# Altium PCB PCB1.PcbDoc (part 2 of 3)
Units mm, origin at the board's own origin, x right, y up, seen from the top; angles counter-clockwise.
Board outline 92.46 x 92.46 mm, 2 copper layers (Top Layer, Bottom Layer); 132 components, 140 nets, 526 pads, 112 vias.
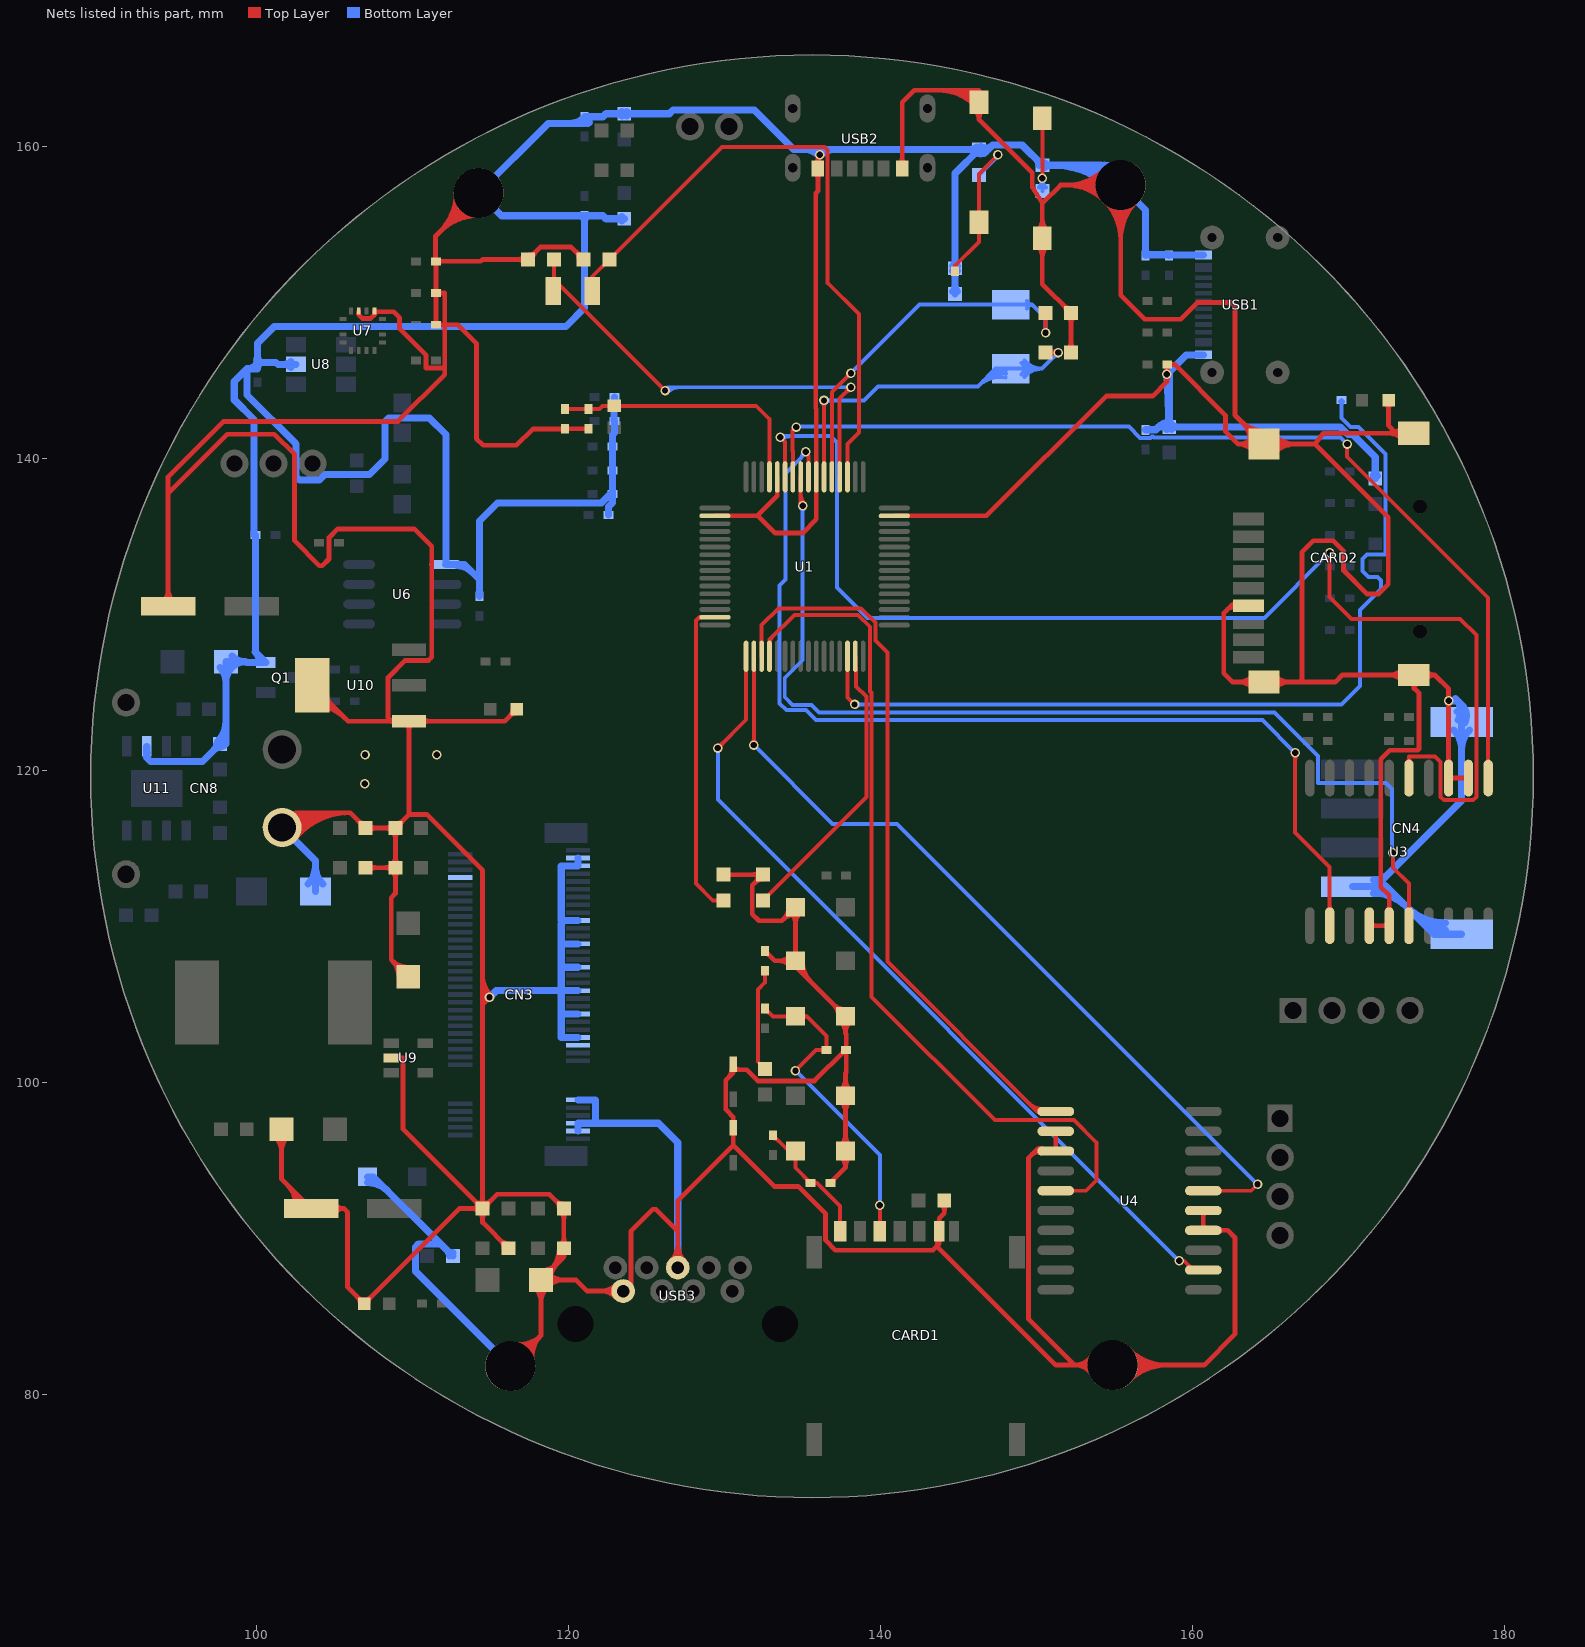
[diagram p2: the nets of this part, all layers, seen from the top]

## Via types
v1: diameter 0.61, hole 0.406, Top Layer to Bottom Layer, 111 vias
v2: diameter 1.016, hole 0.711, Top Layer to Bottom Layer, 1 vias

## Nets (pads, with @x,y where several pads share a name; then routed paths per layer and width w, separated by ;. In a path a pad name is that pad's centre, name@x,y a point inside that pad or via, vN(x,y) a via of type N, cw(c..) or ccw(c..) an arc to the next point about the centre after c; other vN are vias at no path point) (continued)
GND: C1.1 C2.2 C3.1 C4.1 C4.2 C5.1 C6.1 C7.1 C8.1 C9.2 C10.1 C11.1 C12.1 C13.1 C14.1 C15.1 C16.1 C17.1 C18.1 C19.1 C20.1 C21.2 C22.2 C23.1 C24.1 C25.1 C26.1 C27.1 C28.1 C29.1 C30.1 C31.1 C32.2 C33.1 C35.2 C36.2 C37.2 C38.2 C39.1 C42.2 C43.1 C44.2 C45.1 CARD1.C5 CARD2.6 CARD2.10 CN3.3 CN3.5 CN3.11 CN3.27 CN3.33 CN3.39 CN3.45 CN3.51 CN3.57 CN3.71 CN3.73 CN4.4 CN4.5 CN4.6 CN8.2 D2.1 D3.1 D4.2 D5.2 D6.2 D7.2 D8.2 D9.2 D10.2 LED1.2 LED4.2 LED5.1 Q1.2 R5.2 R10.1 R11.1 R18.1 R19.2 R21.1 R23.1 R31.1 R34.1 R35.1 R49.1 S1.2 S2.2 TP1.1 TP2.1 TP3.1 TP4.1 U1.7 U1.12 U1.18 U1.63 U3.4 U3.5 U3.12 U3.13 U4.4 U4.5 U4.12 U4.13 U6.5 U7.9 U7.11 U8.5 U9.2 U10.1 U10.4 U11.2 USB1.1 USB1.12 USB2.A12 USB2.B12 USB3.4 USB3.7 | length 1225.4
  Top Layer w0.305: C42.2@94.041,130.873 ccw(c93.331,131.583) 94.336,131.583 ; 94.336,131.691 ccw(c95.493,131.691) C42.2@94.674,130.873 ; C42.2@94.358,130.556 94.336,130.556 94.336,137.795 ; C45.1@101.169,96.597 cw(c100.128,95.556) 101.6,95.556 cw(c103.072,95.556) C45.1@102.031,96.597 ; CN8.2@101.319,116.644 cw(c102.763,115.446) 102.763,117.323 ; CN8.2@101.553,116.45 cw(c103.412,114.908) 103.412,117.323 ; C45.1@101.6,97.028 101.6,93.85 C44.2@103.502,91.948 105.613,91.948 ; CN8.2@101.647,116.372 102.598,117.323 106.007,117.323 ; CN8.2@101.788,116.255 cw(c104.06,114.37) 104.06,117.323 ; 101.945,93.505 cw(c100.552,92.113) C44.2@102.513,91.933 ; CN8.2@102.023,116.06 cw(c104.709,113.832) 104.709,117.323 ; CN8.2@102.257,115.866 cw(c105.358,113.294) 105.358,117.323 ; 102.404,93.045 cw(c101.395,92.036) C44.2@102.817,91.905 ; CN8.2@102.492,115.671 cw(c106.007,112.756) 106.007,117.323 ; 102.864,92.586 cw(c102.237,91.959) C44.2@103.12,91.878 ; C44.2@103.324,92.126 cw(c103.08,91.881) C44.2@103.424,91.85 ; U10.4@103.58,125.476 105.87,123.186 108.661,123.186 ; U10.4@103.581,124.793 cw(c103.633,123.276) 104.707,124.349 ; U10.4@103.592,124.488 cw(c103.666,122.317) 105.203,123.853 ; U10.4@103.602,124.184 cw(c103.7,121.358) 105.699,123.357 ; U10.4@104.528,124.826 ccw(c105.246,124.826) 104.738,124.318 ; C44.2@104.995,91.66 cw(c105.613,91.14) 105.613,91.948 ; C44.2@104.995,92.236 ccw(c105.613,92.756) 105.613,91.948 ; U7.11@106.53,149.372 ccw(c106.818,149.372) 106.614,149.168 ; U7.11@106.557,149.472 106.557,149.225 106.786,148.996 107.328,148.996 107.557,149.225 U7.9@107.557,149.428 ; LED5.1@106.649,85.849 ccw(c106.051,85.849) 106.474,86.271 ccw(c106.897,86.694) 106.897,86.096 ccw(c106.897,86.694) 107.319,86.271 ccw(c107.742,85.849) LED5.1@107.144,85.849 ; C18.1@106.705,116.332 ccw(c106,116.332) 106.499,116.831 ccw(c106.998,117.329) C18.1@106.998,116.624 ; C20.1@106.998,113.792 C19.1@108.902,113.792 ; C20.1@107.204,113.585 cw(c107.703,113.087) 107.703,113.792 cw(c107.703,114.497) C20.1@107.204,113.999 ; C18.1@107.204,116.125 cw(c107.703,115.627) 107.703,116.332 cw(c107.703,117.037) C18.1@107.204,116.539 ; 107.5,149.168 ccw(c107.296,149.372) U7.9@107.584,149.372 ; U7.9@107.557,149.472 U7.9@107.557,149.428 ; U9.2@108.628,101.6 109.398,101.6 109.398,97.041 C23.1@114.49,91.948 ; C17.1@108.696,116.539 cw(c108.197,117.037) 108.197,116.332 cw(c108.197,115.627) 108.696,116.125 cw(c108.197,115.627) 108.902,115.627 cw(c109.608,115.627) C17.1@109.109,116.125 ; C17.1@108.902,116.624 ccw(c108.902,117.329) 109.401,116.831 ccw(c109.9,116.332) C17.1@109.195,116.332 ; U10.1@108.905,123.011 ccw(c108.482,122.588) 108.482,123.186 ccw(c108.482,123.784) U10.1@108.905,123.361 ; U9.2@108.932,101.496 cw(c109.184,101.244) 109.184,101.6 cw(c109.184,101.956) U9.2@108.932,101.705 ; C19.1@109.109,113.585 ccw(c109.608,113.087) 108.902,113.087 ccw(c108.197,113.087) 108.696,113.585 ccw(c108.197,113.087) 108.197,113.792 ccw(c108.197,114.497) 108.696,113.999 ccw(c108.197,114.497) 108.902,114.497 ccw(c109.608,114.497) C19.1@109.109,113.999 ; C21.2@109.118,106.807 ccw(c107.647,106.807) 108.687,107.848 ccw(c109.728,108.888) C21.2@109.728,107.417 ; U10.1@109.605,123.011 cw(c109.182,122.588) 109.78,122.588 cw(c110.378,122.588) U10.1@109.955,123.011 ; C21.2@109.728,106.807 108.636,107.899 108.636,111.874 108.902,112.141 C19.1@108.902,113.792 ; U10.1@110.655,123.011 cw(c111.078,122.588) 111.078,123.186 cw(c111.078,123.784) U10.1@110.655,123.361 ; 111.481,152.964 ccw(c111.812,152.964) C32.2@111.578,152.73 ; TP3.1@112.789,157.035 cw(c109.293,157.035) 111.765,154.564 cw(c114.236,152.092) TP3.1@114.236,155.588 ; TP3.1@113.093,157.035 cw(c110.334,157.035) 112.285,155.084 cw(c114.236,153.133) TP3.1@114.236,155.892 ; TP3.1@113.398,157.035 cw(c111.375,157.035) 112.806,155.605 cw(c114.236,154.174) TP3.1@114.236,156.197 ; C23.1@114.198,91.948 ccw(c113.493,91.948) 113.992,92.447 ccw(c114.49,92.945) 114.49,92.24 ccw(c114.49,92.945) 114.989,92.447 ccw(c115.488,91.948) C23.1@114.783,91.948 ; TP3.1@114.236,157.035 111.481,154.28 111.481,152.658 C32.2@111.506,152.658 ; 114.49,105.179 cw(c114.951,105.179) v1@114.927,105.638 ; 114.49,105.456 ccw(c114.904,105.456) 114.612,105.163 ; 114.49,106.191 ccw(c115.64,106.191) v1@114.827,105.378 ; 114.49,106.927 ccw(c116.376,106.927) v1@115.043,105.594 ; C23.1@114.697,91.741 ccw(c115.196,91.243) 114.49,91.243 ccw(c113.785,91.243) 114.284,91.741 ccw(c113.785,91.243) 113.785,91.948 ccw(c113.785,92.653) 114.284,92.155 ccw(c113.785,92.653) 114.49,92.653 ccw(c115.196,92.653) C23.1@114.697,92.155 ; v1@114.783,105.486 cw(c114.415,105.486) 114.675,105.226 cw(c114.935,104.966) v1@114.935,105.334 ; v1(114.935,105.486) 114.49,105.042 ; C26.1@115.849,89.408 ccw(c115.144,89.408) 115.643,89.907 ccw(c116.141,90.405) C26.1@116.141,89.7 ; C26.1@116.141,89.408 114.49,91.059 C23.1@114.49,91.948 ; TP2.1@116.268,81.852 118.237,83.82 ; TP2.1@116.413,82.677 ccw(c116.609,83.79) 117.408,82.991 ccw(c118.207,82.192) TP2.1@117.094,81.996 ; LED4.2@116.427,123.952 cw(c115.83,123.952) 116.252,123.529 cw(c116.675,123.107) LED4.2@116.675,123.704 ; TP2.1@116.466,82.977 ccw(c116.733,84.495) 117.823,83.406 ccw(c118.912,82.316) TP2.1@117.394,82.049 ; TP2.1@116.519,83.277 ccw(c116.856,85.2) 118.237,83.82 ; LED4.2@116.675,123.952 115.909,123.186 U10.1@109.78,123.186 ; C8.1@117.205,152.574 ccw(c116.706,152.076) 116.706,152.781 ccw(c116.706,153.486) C8.1@117.205,152.988 ; C8.1@117.411,153.073 ccw(c117.411,153.778) 117.91,153.28 ccw(c118.409,152.781) C8.1@117.704,152.781 ; TP2.1@117.694,82.102 cw(c119.617,82.439) 118.237,83.82 ; C22.2@117.806,86.945 cw(c116.765,85.904) 118.237,85.904 cw(c119.709,85.904) 118.668,86.945 cw(c119.709,85.904) 119.709,87.376 cw(c119.709,88.848) C22.2@118.668,87.807 ; C22.2@118.237,87.986 ccw(c118.237,89.457) 119.278,88.417 ccw(c120.318,87.376) C22.2@118.847,87.376 ; C22.2@118.795,87.934 ccw(c117.32,89.408) C25.1@119.405,89.408 ; 119.315,88.454 ccw(c118.361,89.408) C25.1@119.71,89.408 ; C24.1@119.405,91.948 ccw(c118.7,91.948) 119.199,92.447 ccw(c119.697,92.945) C24.1@119.697,92.24 ; 119.482,141.91 ccw(c119.482,142.203) C16.1@119.689,141.996 ; C25.1@119.491,89.615 ccw(c118.992,90.113) 119.697,90.113 ccw(c120.403,90.113) C25.1@119.904,89.615 ; C24.1@119.491,91.741 cw(c118.992,91.243) 119.697,91.243 cw(c120.403,91.243) C24.1@119.904,91.741 ; C25.1@119.526,89.171 cw(c119.285,88.837) 119.697,88.837 ; C25.1@119.869,89.171 ccw(c120.11,88.837) 119.697,88.837 ; C7.1@120.675,152.781 ccw(c119.97,152.781) 120.469,153.28 ccw(c120.968,153.778) C7.1@120.968,153.073 ; C7.1@120.968,152.781 120.18,153.568 118.199,153.568 C8.1@117.411,152.781 114.499,152.781 114.376,152.658 C32.2@111.506,152.658 ; C15.1@121.285,141.924 C16.1@119.761,141.924 119.761,141.91 117.704,141.91 116.662,140.868 114.529,140.868 114.097,141.3 114.097,147.396 112.899,148.594 112.065,148.594 ; USB3.4@123.069,86.229 ccw(c122.028,85.188) 122.028,86.66 ccw(c122.028,88.132) USB3.4@123.069,87.091 ; USB3.7@126.569,88.591 ccw(c125.528,89.632) 127,89.632 ccw(c128.471,89.632) USB3.7@127.431,88.591 ; USB3.7@127,88.16 127,90.5 ; U1.18@129.378,136.346 132.081,136.346 ; C5.1@129.921,113.347 C6.1@132.461,113.347 131.775,112.662 131.775,110.82 132.207,110.388 133.68,110.388 D9.2@134.544,111.252 D8.2@134.544,107.823 ; 130.216,100.321 ccw(c129.619,100.918) D3.1@130.463,100.943 ; D3.1@130.556,101.194 D3.1@130.556,100.838 ; D3.1@130.621,101.012 ccw(c131.04,101.431) 131.04,100.838 ; C6.1@132.169,113.347 cw(c131.464,113.347) 131.962,112.849 cw(c132.461,112.35) C6.1@132.461,113.055 ; C6.1@132.254,113.141 ccw(c131.756,112.642) 131.756,113.347 ccw(c131.756,114.053) C6.1@132.254,113.554 ; C30.1@132.588,108.293 cw(c132.588,107.894) 132.87,108.176 ; C30.1@132.588,108.458 133.223,107.823 D8.2@134.544,107.823 ; 133.378,137.622 133.378,137.643 ; U1.12@133.378,138.846 133.378,137.643 ; D9.2@134.096,111.252 cw(c133.016,111.252) 133.78,110.488 cw(c134.544,109.724) D9.2@134.544,110.804 ; D8.2@134.227,107.506 ccw(c133.463,106.742) 133.463,107.823 ccw(c133.463,108.904) D8.2@134.227,108.14 ; D9.2@134.227,110.935 cw(c133.463,110.171) 134.544,110.171 cw(c135.625,110.171) D9.2@134.86,110.935 ; D8.2@134.687,107.823 ccw(c135.891,107.823) 135.039,106.972 ; D8.2@134.992,107.823 ccw(c136.931,107.823) 135.56,106.451 ; USB2.A12@135.808,158.328 cw(c135.385,157.905) 135.983,157.905 cw(c136.581,157.905) USB2.A12@136.158,158.328 ; USB2.A12@135.808,158.878 ccw(c135.385,159.301) 135.983,159.301 ccw(c136.581,159.301) USB2.A12@136.158,158.878 ; USB2.A12@135.983,158.853 cw(c136.727,158.853) v1@136.201,159.379 ; v1(136.093,159.487) 135.983,159.376 USB2.A12@135.983,158.603 135.983,157.15 135.837,157.003 135.837,143.256 135.878,143.215 U1.7@135.878,138.846 135.878,136.122 135,135.244 133.244,135.244 132.142,136.346 132.081,136.346 ; C28.1@136.779,93.599 137.744,94.564 ; C28.1@136.944,93.599 cw(c137.343,93.599) 137.061,93.881 ; D7.2@137.296,104.267 ccw(c136.216,104.267) 136.98,105.031 ccw(c137.744,105.795) D7.2@137.744,104.715 ; D5.2@137.428,95.948 ccw(c136.663,96.712) 137.744,96.712 ccw(c138.825,96.712) D5.2@138.061,95.948 ; D6.2@137.428,98.87 cw(c136.663,98.106) 137.744,98.106 cw(c138.825,98.106) D6.2@138.061,98.87 ; D6.2@137.428,99.504 ccw(c136.663,100.268) 137.744,100.268 ccw(c138.825,100.268) D6.2@138.061,99.504 ; D5.2@137.43,95.312 cw(c136.696,94.564) 137.744,94.564 ; D7.2@137.43,103.948 cw(c136.697,103.2) 137.744,103.2 ; C29.1@137.549,101.913 ccw(c137.354,102.108) C29.1@137.63,102.108 ; D5.2@138.058,95.312 ccw(c138.792,94.564) 137.744,94.564 ; D7.2@138.058,103.948 ccw(c138.791,103.2) 137.744,103.2 ; U1.63@140.878,136.346 146.785,136.346 154.457,144.018 157.429,144.018 158.369,144.958 R19.2@158.369,146.05 ; USB2.B12@141.208,158.878 ccw(c140.785,159.301) 141.383,159.301 ccw(c141.981,159.301) USB2.B12@141.558,158.878 ; USB2.B12@141.383,158.603 141.383,162.839 142.163,163.619 146.304,163.619 ; 143.626,89.643 cw(c144.208,89.551) CARD1.C5@143.862,90.028 ; CARD1.C5@143.638,90.045 cw(c143.343,89.75) 143.76,89.75 cw(c144.177,89.75) CARD1.C5@143.882,90.045 ; CARD1.C5@143.638,90.939 ccw(c143.343,91.234) 143.76,91.234 ccw(c144.177,91.234) CARD1.C5@143.882,90.939 ; 143.738,163.619 cw(c143.738,160.438) S1.2@145.987,162.687 ; C27.1@143.875,92.249 cw(c143.376,91.751) 144.082,91.751 cw(c144.787,91.751) C27.1@144.288,92.249 ; C27.1@144.082,92.456 144.082,91.634 143.76,91.313 CARD1.C5@143.76,90.492 ; 144.474,163.619 cw(c144.474,161.174) S1.2@146.203,162.903 ; 145.21,163.619 cw(c145.21,161.91) S1.2@146.419,163.119 ; 145.946,163.619 cw(c145.946,162.646) S1.2@146.634,163.334 ; S1.2@146.017,162.36 cw(c145.505,161.747) 146.304,161.747 ; S1.2@146.166,163.43 ccw(c146.105,163.619) 146.304,163.619 ; S1.2@146.442,163.43 cw(c146.503,163.619) 146.304,163.619 ; S1.2@146.591,162.36 ccw(c147.103,161.747) 146.304,161.747 ; 149.694,95.415 cw(c150.045,95.064) U4.13@150.276,95.503 ; 149.877,95.598 cw(c150.344,95.132) U4.13@150.344,95.791 ; 149.987,95.707 cw(c150.247,95.447) U4.13@150.418,95.772 ; S2.2@150.051,153.672 cw(c149.287,152.907) 150.368,152.907 cw(c151.449,152.907) S2.2@150.685,153.672 ; S2.2@150.051,154.605 ccw(c149.287,155.369) 150.368,155.369 ccw(c151.449,155.369) S2.2@150.685,154.605 ; U4.13@150.241,95.528 ccw(c149.993,95.281) 149.993,95.631 ccw(c149.993,95.981) U4.13@150.241,95.734 ; U4.13@151.123,95.734 ccw(c150.876,95.981) 151.226,95.981 ccw(c151.576,95.981) U4.13@151.329,95.734 ; U4.12@151.123,96.798 cw(c150.876,96.551) 151.226,96.551 cw(c151.576,96.551) U4.12@151.329,96.798 ; U4.12@151.226,96.901 U4.13@151.226,95.631 149.911,95.631 149.487,95.207 149.487,84.866 152.438,81.915 ; C1.1@151.917,149.352 ccw(c151.212,149.352) 151.711,149.851 ccw(c152.209,150.349) C1.1@152.209,149.644 ; C3.1@152.003,147.019 ccw(c151.504,147.517) 152.209,147.517 ccw(c152.915,147.517) C3.1@152.416,147.019 ; C1.1@152.003,149.145 cw(c151.504,148.647) 152.209,148.647 cw(c152.915,148.647) C1.1@152.416,149.145 ; C3.1@152.209,146.812 C1.1@152.209,149.352 150.368,151.194 S2.2@150.368,154.138 150.368,156.375 ; TP4.1@153.605,81.222 ccw(c152.438,80.586) 152.438,81.915 ; TP4.1@153.605,82.608 cw(c152.438,83.244) 152.438,81.915 ; TP4.1@153.873,81.368 ccw(c152.952,80.866) 152.952,81.915 ccw(c152.952,82.964) TP4.1@153.873,82.462 ; TP1.1@154.361,158.567 cw(c151.889,161.039) 151.889,157.543 cw(c151.889,154.048) 154.361,156.52 cw(c151.889,154.048) 155.385,154.048 cw(c158.88,154.048) TP1.1@156.408,156.52 ; TP1.1@154.576,158.352 cw(c152.625,160.303) 152.625,157.543 cw(c152.625,154.784) 154.576,156.735 cw(c152.625,154.784) 155.385,154.784 cw(c158.144,154.784) TP1.1@156.193,156.735 ; TP1.1@154.792,158.136 cw(c153.361,159.567) 153.361,157.543 cw(c153.361,155.52) 154.792,156.951 cw(c153.361,155.52) 155.385,155.52 cw(c157.408,155.52) TP1.1@155.977,156.951 ; TP4.1@155.469,81.322 cw(c156.9,79.891) 156.9,81.915 cw(c156.9,83.939) TP4.1@155.469,82.508 ; TP4.1@155.685,81.107 cw(c157.636,79.156) 157.636,81.915 cw(c157.636,84.674) TP4.1@155.685,82.723 ; TP4.1@155.9,80.891 cw(c158.372,78.42) 158.372,81.915 cw(c158.372,85.41) TP4.1@155.9,82.939 ; v1@158.236,145.307 cw(c157.914,144.986) 158.369,144.986 ; v1(158.344,145.415) 158.344,146.05 R19.2@158.369,146.05 ; 158.344,145.743 cw(c158.676,145.743) R19.2@158.441,145.978 ; 158.369,145.108 cw(c158.65,145.108) v1@158.451,145.307 ; 158.369,145.722 ccw(c158.65,145.722) 158.451,145.523 cw(c158.712,145.783) 158.344,145.783 cw(c157.976,145.783) 158.236,145.523 ccw(c157.914,145.844) R19.2@158.369,145.844 ; U4.4@160.583,90.654 ccw(c160.336,90.901) 160.686,90.901 ccw(c161.036,90.901) U4.4@160.789,90.654 ; U4.5@160.583,91.718 cw(c160.336,91.471) 160.686,91.471 cw(c161.036,91.471) U4.5@160.789,91.718 ; U4.5@160.686,91.821 U4.4@160.686,90.551 162.255,90.551 162.712,90.094 162.712,83.896 160.731,81.915 TP4.1@154.876,81.915 152.438,81.915 ; U4.4@161.671,90.448 cw(c161.919,90.201) 161.919,90.551 cw(c161.919,90.901) U4.4@161.671,90.654 ; 162.219,130.342 cw(c162.556,130.005) CARD2.6@162.832,130.393 ; 162.234,130.357 cw(c162.946,129.645) CARD2.6@162.978,130.651 ; 162.473,130.596 cw(c162.768,130.302) CARD2.6@163.009,130.641 ; CARD2.6@162.78,130.443 ccw(c162.471,130.203) 162.471,130.594 ; CARD2.6@162.78,130.746 cw(c162.471,130.985) 162.471,130.594 ; CARD2.6@163.576,130.594 162.471,130.594 ; CARD2.10@163.728,140.944 ccw(c161.682,140.944) 163.129,142.391 ccw(c164.576,143.838) CARD2.10@164.576,141.792 ; CARD2.10@163.89,140.447 ccw(c162.916,139.742) 162.916,140.944 ; CARD2.10@163.89,141.441 cw(c162.916,142.147) 162.916,140.944 ; CARD2.10@163.904,125.272 ccw(c162.883,124.252) 162.883,125.694 ccw(c162.883,127.137) CARD2.10@163.904,126.117 ; CARD2.10@164.033,140.944 ccw(c162.723,140.944) 163.649,141.871 ccw(c164.576,142.797) CARD2.10@164.576,141.487 ; CARD2.10@164.136,140.626 ccw(c163.513,140.174) 163.513,140.944 ccw(c163.513,141.714) CARD2.10@164.136,141.263 ; CARD2.10@164.96,140.56 cw(c165.887,139.634) 165.887,140.944 cw(c165.887,142.255) CARD2.10@164.96,141.328 ; CARD2.10@165.175,140.345 cw(c166.622,138.898) 166.622,140.944 cw(c166.622,142.991) CARD2.10@165.175,141.544 ; CARD2.10@165.249,125.272 cw(c166.269,124.252) 166.269,125.694 cw(c166.269,127.137) CARD2.10@165.249,126.117 ; U3.4@171.323,110.078 U3.5@172.593,110.078 172.593,112.014 172.06,112.547 172.06,120.752 172.633,121.325 174.437,121.325 174.498,121.387 174.498,124.993 174.176,125.315 CARD2.10@174.176,126.144 ; U3.4@171.426,109.975 cw(c171.673,109.728) 171.673,110.078 cw(c171.673,110.428) U3.4@171.426,110.181 ; LED1.2@172.38,143.589 cw(c171.957,143.166) 172.555,143.166 cw(c173.153,143.166) LED1.2@172.73,143.589 ; U3.5@172.49,109.975 ccw(c172.243,109.728) 172.243,110.078 ccw(c172.243,110.428) U3.5@172.49,110.181 ; U3.5@172.49,111.063 ccw(c172.243,111.311) 172.593,111.311 ccw(c172.943,111.311) U3.5@172.696,111.063 ; LED1.2@172.555,143.764 172.555,142.113 173.024,141.644 ; CARD2.10@173.489,125.757 ccw(c172.554,124.822) 172.554,126.144 ccw(c172.554,127.466) CARD2.10@173.489,126.531 ; CARD2.10@173.504,141.222 ccw(c172.483,140.201) 172.483,141.644 ccw(c172.483,143.087) CARD2.10@173.504,142.067 ; CARD2.10@173.961,125.641 cw(c173.823,125.315) 174.176,125.315 cw(c174.53,125.315) CARD2.10@174.391,125.641 ; 174.176,125.263 cw(c174.511,125.263) CARD2.10@174.498,125.597 ; CARD2.10@174.176,141.644 173.024,141.644 ; CARD2.10@174.928,125.835 cw(c175.514,125.434) 175.514,126.144 ; CARD2.10@174.928,126.453 ccw(c175.514,126.854) 175.514,126.144 ; v1@176.295,124.378 cw(c176.035,124.117) 176.403,124.117 cw(c176.771,124.117) v1@176.511,124.378 ; v1@176.295,124.593 ccw(c176.035,124.853) 176.403,124.853 ccw(c176.771,124.853) v1@176.511,124.593 ; U3.13@176.3,120.523 ccw(c176.053,120.771) 176.403,120.771 ccw(c176.753,120.771) U3.13@176.506,120.523 ; U3.13@176.506,119.435 cw(c176.753,119.188) 176.753,119.538 cw(c176.753,119.888) U3.13@176.506,119.641 ; U3.12@177.57,119.435 ccw(c177.323,119.188) 177.323,119.538 ccw(c177.323,119.888) U3.12@177.57,119.641 ; U3.12@177.673,119.538 U3.13@176.403,119.538 v1(176.403,124.485) 176.403,125.255 175.514,126.144 ; 94.336,137.795 94.336,138.836 97.892,142.392 109.068,142.392 112.065,145.39 112.065,145.821 ; 94.336,137.795 98.12,141.58 101.143,141.58 102.438,140.284 102.438,134.747 104.038,133.147 104.216,133.147 104.648,133.579 104.648,134.95 105.207,135.509 110.109,135.509 111.227,134.391 111.227,127.279 111.023,127.076 109.525,127.076 108.433,125.984 108.433,123.415 108.661,123.186 ; 105.613,91.948 105.842,91.719 105.842,86.903 LED5.1@106.897,85.849 112.996,91.948 C23.1@114.49,91.948 ; 106.007,117.323 C18.1@106.998,116.332 C17.1@108.902,116.332 ; U7.9@107.557,149.428 108.788,149.428 109.169,149.047 109.169,148.336 110.871,146.634 110.871,145.821 112.065,145.821 ; 108.661,123.186 ccw(c108.661,123.416) 108.863,123.305 cw(c108.661,123.416) 108.661,123.186 ; 108.661,123.186 cw(c108.661,122.956) 108.863,123.067 ccw(c108.661,122.956) 108.661,123.186 ; 108.661,123.186 U10.1@109.78,123.186 ; C19.1@108.902,113.792 C17.1@108.902,116.332 ; C17.1@108.902,116.332 109.78,117.21 ; 109.78,117.21 U10.1@109.78,123.186 ; 109.78,117.21 110.908,117.21 114.49,113.627 114.49,105.042 ; C33.1@111.506,150.626 C35.2@111.506,148.594 112.065,148.594 ; C33.1@111.506,150.626 C32.2@111.506,152.658 ; C33.1@111.506,150.626 112.065,150.626 112.065,148.594 ; 112.065,145.821 112.065,148.594 ; C23.1@114.49,91.948 114.49,105.042 ; C23.1@114.49,91.948 115.416,92.873 118.772,92.873 C24.1@119.697,91.948 C25.1@119.697,89.408 119.697,88.837 ; 118.237,83.82 C22.2@118.237,87.376 ; C22.2@118.237,87.376 119.697,88.837 ; C22.2@118.237,87.376 120.472,87.376 121.188,86.66 USB3.4@123.5,86.66 123.5,87.097 124.003,87.097 124.003,90.5 125.4,91.897 125.603,91.897 127,90.5 ; 127,90.5 127,92.456 130.556,96.012 ; 130.556,96.012 133.198,93.37 134.722,93.37 136.474,91.618 136.474,89.916 137.109,89.281 143.354,89.281 143.61,89.537 ; 130.556,96.012 D2.1@130.556,97.13 130.556,97.815 130.073,98.298 130.073,100.178 130.556,100.66 D3.1@130.556,100.838 ; D3.1@130.556,100.838 131.42,100.838 132.131,100.127 135.763,100.127 137.744,102.108 C29.1@137.795,102.108 ; 132.081,136.346 133.378,137.643 ; D8.2@134.544,107.823 134.544,107.467 D7.2@137.744,104.267 137.744,103.2 ; 137.744,94.564 D5.2@137.744,95.631 D6.2@137.744,99.187 137.744,100.609 137.795,100.66 C29.1@137.795,102.108 ; 137.744,103.2 137.795,103.149 C29.1@137.795,102.108 ; 143.61,89.537 143.76,89.687 CARD1.C5@143.76,90.492 ; 143.61,89.537 CARD1.C5@143.76,90.492 ; 143.61,89.537 151.232,81.915 152.438,81.915 ; 146.304,161.747 S1.2@146.304,162.854 146.304,163.619 ; 146.304,161.747 149.715,158.336 149.715,157.455 150.368,156.375 ; 150.368,156.375 151.536,157.543 TP1.1@155.385,157.543 155.385,150.482 156.921,148.946 159.233,148.946 160.299,150.012 162.509,150.012 162.712,149.809 162.712,142.808 CARD2.10@164.576,140.944 ; R19.2@158.369,146.05 158.852,146.05 162.103,142.799 162.103,141.757 162.916,140.944 ; 162.471,130.594 161.989,130.112 161.989,126.263 162.558,125.694 CARD2.10@164.576,125.694 166.868,125.694 ; 162.916,140.944 CARD2.10@164.576,140.944 ; CARD2.10@164.576,140.944 167.844,140.944 ; 166.868,125.694 169.139,125.694 169.589,126.144 CARD2.10@174.176,126.144 ; 166.868,125.694 167.005,125.832 167.005,134.01 167.742,134.747 169.012,134.747 169.672,134.087 169.672,132.842 171.171,131.343 171.933,131.343 172.542,131.953 172.542,136.246 167.844,140.944 ; 167.844,140.944 168.384,141.644 173.024,141.644 ; 173.024,141.644 ccw(c173.024,142.027) 173.376,141.877 cw(c173.024,142.027) 173.024,141.644 ; 173.024,141.644 cw(c173.024,141.262) 173.376,141.411 ccw(c173.024,141.262) 173.024,141.644 ; CARD2.10@174.176,126.144 175.514,126.144
  Bottom Layer w0.457: U11.2@92.964,121.572 92.964,120.853 93.218,120.599 96.533,120.599 R49.1@97.663,121.73 98.044,121.73 C43.1@98.044,127 99.289,127 ; U11.2@93.018,121.176 ccw(c93.238,120.988) 93.034,120.784 ; R49.1@97.447,121.73 cw(c96.926,121.73) 97.294,121.361 cw(c97.663,120.992) R49.1@97.663,121.514 ; R49.1@97.51,121.882 ccw(c96.222,123.171) 98.044,123.171 ; C43.1@97.667,126.623 cw(c96.756,125.712) 98.044,125.712 cw(c99.332,125.712) C43.1@98.421,126.623 ; R49.1@97.834,121.559 ccw(c97.326,122.067) R49.1@98.044,122.067 ; C43.1@98.43,126.632 cw(c99.289,125.815) 99.289,127 ; C43.1@98.43,127.368 ccw(c99.289,128.185) 99.289,127 ; 99.923,127.611 cw(c99.247,126.934) Q1.2@100.204,126.934 ; C36.2@100.055,146.128 cw(c99.39,146.568) 99.39,145.771 ; CN8.2@101.647,115.838 cw(c101.647,114.551) 102.558,115.461 cw(c103.468,116.372) CN8.2@102.18,116.372 ; CN8.2@101.647,116.372 103.777,114.242 D10.2@103.777,112.268 ; U8.5@102.213,145.858 ccw(c101.75,145.395) 101.75,146.05 ccw(c101.75,146.705) U8.5@102.213,146.242 ; U8.5@102.54,146.05 101.371,146.05 101.244,146.177 C36.2@100.076,146.177 ; D10.2@103.302,112.743 ccw(c102.156,113.889) 103.777,113.889 ccw(c105.398,113.889) D10.2@104.252,112.743 ; D4.2@107.112,93.609 cw(c107.112,91.762) 108.418,93.068 ; D4.2@107.112,93.98 107.505,93.98 111.798,89.687 ; U6.5@112.119,133.223 U6.5@112.141,133.223 ; R23.1@112.37,88.9 ccw(c111.848,88.9) 112.217,89.269 ccw(c112.585,89.637) R23.1@112.585,89.116 ; R23.1@112.585,88.9 111.798,89.687 ; U6.5@112.848,133.158 cw(c112.848,131.824) 113.791,132.767 ; U6.5@112.866,133.16 cw(c113.07,132.472) 113.578,132.98 ; TP3.1@114.236,157.569 ccw(c114.236,158.857) 115.147,157.946 ccw(c116.058,157.035) TP3.1@114.77,157.035 ; C31.1@114.3,131.191 114.3,132.258 ; v1(114.935,105.486) 115.363,105.914 119.532,105.914 ; TP2.1@115.735,81.852 ccw(c114.447,81.852) 115.358,82.762 ccw(c116.268,83.673) TP2.1@116.268,82.385 ; TP2.1@116.268,81.852 110.185,87.935 110.185,89.484 110.388,89.687 111.798,89.687 ; 120.081,161.493 ccw(c120.081,162.812) C37.2@121.013,161.879 ; CN3.3@120.615,96.914 CN3.5@120.615,97.414 121.717,97.414 ; CN3.11@120.615,98.914 121.717,98.914 121.717,97.414 ; CN3.27@120.615,102.914 119.532,102.914 119.532,104.414 ; CN3.33@120.615,104.414 119.532,104.414 ; CN3.39@120.615,105.914 119.532,105.914 ; CN3.45@120.615,107.414 119.532,107.414 ; CN3.51@120.615,108.914 119.532,108.914 ; CN3.57@120.615,110.414 119.736,110.414 ; CN3.73@120.615,114.414 CN3.71@120.615,113.914 119.532,113.914 119.532,110.414 119.736,110.414 ; 121.184,161.493 ccw(c121.184,161.708) 121.336,161.556 ; R5.2@122.555,136.398 122.555,136.931 122.809,137.185 C14.1@122.809,137.733 ; C10.1@122.936,143.956 122.936,143.68 122.917,143.661 122.917,142.432 C11.1@122.936,142.432 122.936,141.656 122.809,141.529 C12.1@122.809,140.781 C13.1@122.809,139.257 C14.1@122.809,137.733 ; R35.1@123.418,155.232 ccw(c123.05,154.863) 123.05,155.385 ccw(c123.05,155.906) R35.1@123.418,155.537 ; R34.1@123.418,161.963 ccw(c123.05,161.594) 123.05,162.115 ccw(c123.05,162.637) R34.1@123.418,162.268 ; R35.1@123.571,155.385 122.39,155.385 122.199,155.575 C38.2@121.031,155.575 ; R34.1@123.724,161.963 cw(c124.092,161.594) 124.092,162.115 cw(c124.092,162.637) R34.1@123.724,162.268 ; USB3.7@126.737,88.423 ccw(c126.103,89.057) 127,89.057 ccw(c127.896,89.057) USB3.7@127.262,88.423 ; USB3.7@127,88.16 127,96.19 125.775,97.414 121.717,97.414 ; 135.081,159.829 cw(c135.081,158.475) v1@136.039,159.433 ; v1(136.093,159.487) 136.436,159.829 ; v1@136.147,159.433 cw(c137.105,158.475) 137.105,159.829 ; 136.185,159.829 cw(c136.185,159.579) 136.363,159.756 ; C4.1@144.627,150.711 ccw(c144.259,151.08) 144.78,151.08 ccw(c145.301,151.08) C4.1@144.933,150.711 ; C4.2@144.627,152.057 cw(c144.259,151.688) 144.78,151.688 cw(c145.301,151.688) C4.2@144.933,152.057 ; C4.2@144.627,152.362 ccw(c144.259,152.731) 144.78,152.731 ccw(c145.301,152.731) C4.2@144.933,152.362 ; C4.1@144.78,150.558 C4.2@144.78,152.209 144.78,158.305 C2.2@146.304,159.829 ; C2.2@146.088,159.829 cw(c145.567,159.829) 145.935,159.461 cw(c146.304,159.092) C2.2@146.304,159.614 ; C2.2@146.151,159.677 ccw(c145.783,159.308) 145.783,159.829 ccw(c145.783,160.351) C2.2@146.151,159.982 ; C2.2@146.177,159.624 ccw(c146.43,160.033) 146.77,159.693 ; C2.2@146.418,160.013 ccw(c146.742,160.537) 147.178,160.101 ; C2.2@146.457,159.677 cw(c146.825,159.308) 146.825,159.829 cw(c146.825,160.351) C2.2@146.457,159.982 ; C9.2@150.152,158.814 ccw(c149.631,158.814) 149.999,159.182 ccw(c150.368,159.551) C9.2@150.368,159.029 ; C9.2@150.521,158.661 cw(c150.889,158.292) 150.889,158.814 cw(c150.889,159.335) C9.2@150.521,158.966 ; 151.031,158.814 cw(c151.031,153.19) TP1.1@155.007,157.166 ; 152.134,158.814 cw(c152.134,154.293) TP1.1@155.331,157.49 ; 153.238,158.814 cw(c153.238,155.397) TP1.1@155.654,157.813 ; 154.342,158.814 cw(c154.342,156.501) 155.977,158.136 ; R18.1@156.972,141.859 157.632,141.859 157.823,142.049 R21.1@158.496,142.049 ; R11.1@156.972,153.035 R11.1@156.972,153.079 ; 157.867,142.093 cw(c158.379,141.581) R21.1@158.555,142.284 ; v1@158.29,145.361 cw(c157.792,144.863) 158.496,144.863 ; R21.1@158.337,142.195 ccw(c157.952,142.547) 158.472,142.57 ccw(c158.993,142.594) R21.1@158.642,142.209 ; R21.1@158.343,141.897 ccw(c157.975,141.528) 157.975,142.049 ccw(c157.975,142.571) 158.343,142.202 ccw(c157.975,142.571) 158.496,142.571 ccw(c159.017,142.571) 158.649,142.202 ccw(c159.017,142.571) 159.017,142.049 ccw(c159.017,141.528) R21.1@158.649,141.897 ; R10.1@158.496,153.035 R10.1@158.496,153.06 ; USB1.12@160.693,146.66 159.589,146.66 v1(158.344,145.415) ; USB1.1@160.693,153.06 R10.1@158.496,153.06 ; CN4.4@170.236,112.582 CN4.4@171.729,112.582 ; C39.1@171.551,138.9 ccw(c171.183,139.269) 171.704,139.269 ccw(c172.225,139.269) C39.1@171.857,138.9 ; CN4.4@171.565,112.611 cw(c171.97,112.06) 172.454,112.544 ; CN4.4@171.586,112.161 cw(c171.586,109.141) 173.721,111.276 ; CN4.4@171.586,112.618 cw(c171.586,110.702) 172.94,112.057 ; CN4.4@171.586,113.003 ccw(c171.586,114.367) 172.55,113.403 ; C39.1@171.704,138.748 171.704,140.106 170.256,141.554 169.948,141.554 169.452,142.049 R21.1@158.496,142.049 ; CN4.4@171.836,112.243 cw(c172.289,111.627) 172.83,112.167 ; CN4.4@171.926,112.334 cw(c172.415,111.977) 172.415,112.582 ; CN4.4@171.926,112.83 ccw(c172.415,113.187) 172.415,112.582 ; CN4.4@172.007,112.582 cw(c172.679,112.582) CN4.4@172.204,113.057 ; 173.724,111.273 ccw(c176.186,113.735) CN4.5@176.186,110.253 ; 174.504,110.493 ccw(c176.186,112.174) CN4.5@176.186,109.796 ; v1(176.403,124.485) 176.987,124.485 177.241,124.231 ; CN4.6@176.726,122.622 cw(c175.482,121.378) 177.241,121.378 ; 176.847,124.626 cw(c176.064,123.843) CN4.6@177.01,123.269 ; CN4.6@176.953,123.796 ccw(c176.768,124.231) 177.241,124.231 ; CN4.5@177.236,109.532 175.465,109.532 172.415,112.582 ; CN4.6@177.236,123.132 CN4.6@177.241,123.132 ; 177.241,121.403 cw(c178.965,121.403) CN4.6@177.746,122.622 ; 177.259,124.214 cw(c176.577,123.532) CN4.6@177.401,123.032 ; CN4.6@177.527,123.792 cw(c177.722,124.231) 177.241,124.231 ; 99.289,127 99.355,126.934 Q1.2@100.6,126.934 99.949,127.585 R31.1@99.949,135.128 99.847,135.128 99.847,142.519 98.577,143.789 98.577,144.958 99.39,145.771 ; 99.39,145.771 99.39,144.094 102.525,140.959 102.525,138.862 102.754,138.633 104.038,138.633 104.394,138.989 107.239,138.989 108.229,139.979 108.229,142.392 108.458,142.621 111.074,142.621 112.141,141.554 U6.5@112.141,133.223 ; 99.39,145.771 100.076,145.771 C36.2@100.076,146.177 ; C36.2@100.076,146.177 100.076,147.422 101.143,148.488 119.837,148.488 121.031,149.682 C38.2@121.031,155.575 ; U6.5@112.141,133.223 113.335,133.223 114.3,132.258 ; 114.3,132.258 114.3,136.017 115.443,137.16 122.098,137.16 122.671,137.733 C14.1@122.809,137.733 ; 119.532,104.414 119.532,105.914 ; 119.532,105.914 119.532,107.414 ; 119.532,107.414 119.532,108.914 ; 119.532,108.914 119.532,110.211 119.736,110.414 ; C38.2@121.031,155.575 115.697,155.575 TP3.1@114.236,157.035 118.694,161.493 121.031,161.493 C37.2@121.031,161.925 122.199,161.925 122.39,162.115 R34.1@123.571,162.115 126.454,162.115 126.695,162.357 131.902,162.357 134.429,159.829 136.436,159.829 ; 136.436,159.829 C2.2@146.304,159.829 ; C2.2@146.304,159.829 146.906,159.829 147.178,160.101 ; 147.178,160.101 149.08,160.101 C9.2@150.368,158.814 154.114,158.814 TP1.1@155.385,157.543 156.972,155.956 R11.1@156.972,153.079 ; R11.1@156.972,153.079 158.496,153.079 R10.1@158.496,153.06 ; v1(158.344,145.415) 158.496,145.415 R21.1@158.496,142.049 ; v1(158.344,145.415) R21.1@158.496,142.049 ; CN4.4@171.729,112.582 172.415,112.582 ; CN4.4@171.729,112.582 177.241,118.094 CN4.6@177.241,123.132 ; CN4.6@177.241,123.132 177.241,124.231
  other v1: 106.934,119.177 106.959,121.031 111.557,121.031
I2C_SCL: CN3.25
I2C_SDA: CN3.68
IN1: U1.8 U3.2 | length 66.8
  Top Layer w0.254: v1@135.077,140.437 135.159,140.387 v1@135.204,140.36 ; v1(135.204,140.462) v1@135.204,140.36 ; U1.8@135.378,138.846 135.378,140.187 v1@135.204,140.36 ; v1@166.447,121.032 cw(c166.144,120.729) 166.573,120.729 cw(c167.002,120.729) v1@166.699,121.032 ; v1(166.573,121.158) 166.573,116.053 168.783,113.843 U3.2@168.783,110.078 ; U3.2@168.662,111.081 ccw(c168.371,111.372) 168.783,111.372 ccw(c169.195,111.372) U3.2@168.904,111.081
  Bottom Layer w0.254: 134.829,139.985 ccw(c134.352,140.462) v1@135.026,140.462 ; v1@135.204,140.36 133.909,139.065 133.909,132.258 133.528,131.877 133.528,124.331 133.957,123.901 135.23,123.901 135.865,123.266 164.465,123.266 v1(166.573,121.158)
IN2: U1.9 U3.6 | length 67.1
  Top Layer w0.254: 134.878,137.724 ccw(c135.724,137.724) v1@135.126,137.126 ; U1.9@134.878,138.846 134.878,137.122 v1(135,137) ; v1@172.847,114.605 172.847,113.792 173.863,112.776 U3.6@173.863,110.078
  Bottom Layer w0.254: v1@134.874,136.874 cw(c134.571,136.571) 135,136.571 cw(c135.429,136.571) v1@135.126,136.874 ; v1(135,137) 135,127.089 133.858,125.947 133.858,124.739 134.366,124.231 135.56,124.231 136.042,123.749 165.233,123.749 168.021,120.961 168.021,119.228 172.38,119.228 172.769,118.838 v1@172.769,114.984
  other v1: 172.822,114.757
IN3: U1.10 U3.11 | length 64.2
  Top Layer w0.254: U1.10@134.378,138.846 134.378,140.499 134.366,140.511 134.366,141.808 v1(134.595,142.037) ; v1(169.901,140.945) 169.901,140.132 178.943,131.089 U3.11@178.943,119.538
  Bottom Layer w0.254: v1@134.645,142.062 155.91,142.062 156.634,141.338 157.31,141.338 157.399,141.427 157.467,141.427 157.518,141.376 169.469,141.376 v1(169.901,140.945)
IN4: U1.11 U3.15 | length 83.7
  Top Layer w0.254: v1(133.579,141.371) 133.878,141.072 U1.11@133.878,138.846 ; v1(168.783,133.985) 168.783,131.14 170.18,129.743 177.14,129.743 178.181,128.702 178.181,118.339 177.978,118.135 176.098,118.135 175.895,118.339 175.895,120.574 175.539,120.929 173.863,120.929 U3.15@173.863,119.538 ; U3.15@173.742,120.541 ccw(c173.451,120.832) 173.863,120.832 ccw(c174.275,120.832) U3.15@173.984,120.541
  Bottom Layer w0.254: v1(133.579,141.371) 133.66,141.453 136.804,141.453 137.211,141.046 137.211,131.75 139.167,129.794 164.592,129.794 v1(168.783,133.985) ; v1@133.704,141.245 cw(c134.205,140.745) 134.205,141.453 ; v1@168.605,133.985 cw(c168.176,133.985) 168.479,133.681 cw(c168.783,133.378) v1@168.783,133.807
IN5: U1.33 U4.2 | length 54.2
  Top Layer w0.254: v1(129.565,121.463) 131.378,123.275 U1.33@131.378,127.346 ; v1@129.565,121.641 ccw(c129.565,122.07) 129.869,121.766 ccw(c130.172,121.463) v1@129.743,121.463 ; v1(159.131,88.595) 159.461,88.595 160.045,88.011 U4.2@160.686,88.011
  Bottom Layer w0.254: v1(129.565,121.463) 129.565,118.161 v1(159.131,88.595)
IN6: U1.34 U4.6 | length 54
  Top Layer w0.254: v1@131.752,121.781 ccw(c131.449,122.085) 131.878,122.085 ccw(c132.307,122.085) v1@132.004,121.781 ; v1(131.878,121.655) U1.34@131.878,127.346 ; U4.6@160.686,93.091 163.754,93.091 v1(164.16,93.497)
  Bottom Layer w0.254: v1(131.878,121.655) 136.928,116.606 141.052,116.606 v1(164.16,93.497)
IN7: U1.35 U4.11 | length 48.6
  Top Layer w0.254: U1.35@132.378,127.346 132.378,129.337 133.445,130.404 138.76,130.404 139.665,129.498 139.665,128.355 140.437,127.584 140.437,107.772 150.038,98.171 ; 149.531,98.678 ccw(c150.344,99.491) U4.11@150.344,98.341 ; 149.964,98.245 ccw(c150.344,98.624) U4.11@150.344,98.087 ; U4.11@150.198,98.081 ccw(c150.038,97.982) 150.038,98.171 ; U4.11@150.198,98.261 cw(c150.038,98.36) 150.038,98.171 ; U4.11@151.226,98.171 150.038,98.171
IN8: U1.36 U4.15 | length 56.3
  Top Layer w0.254: U1.36@132.878,127.346 132.878,128.408 134.47,130 138.551,130 139.335,129.215 139.335,125.095 139.421,125.01 139.421,105.512 147.32,97.612 152.4,97.612 153.822,96.19 153.822,93.751 153.162,93.091 U4.15@151.226,93.091 ; U1.36@132.901,128.196 cw(c133.467,128.196) 133.067,128.596
LED_R: R14.2 U1.46 | length 59.8
  Top Layer w0.254: U1.46@137.878,127.346 137.878,124.707 v1(138.328,124.257)
  Bottom Layer w0.254: v1(138.328,124.257) 169.545,124.257 170.739,125.451 170.739,130.302 172.085,131.648 172.085,132.207 171.856,132.436 171.277,132.436 170.891,132.822 170.891,133.579 171.171,133.858 172.364,133.858 172.364,140.321 170.637,142.048 170.118,142.048 169.545,142.621 R14.2@169.545,143.764 ; v1@138.454,124.131 cw(c138.758,123.828) 138.758,124.257 cw(c138.758,124.686) v1@138.454,124.383 ; R14.2@169.455,143.674 cw(c169.238,143.457) 169.545,143.457 cw(c169.852,143.457) R14.2@169.635,143.674
NetC1_2: C1.2 U1.5 X1.2 | length 25.6
  Top Layer w0.254: U1.5@136.878,138.846 136.878,143.237 136.881,143.24 136.881,144.272 v1(138.1,145.491) ; v1@137.922,145.491 cw(c137.493,145.491) 137.796,145.188 cw(c138.1,144.884) v1@138.1,145.313 ; C1.2@150.558,149.352 150.558,148.095 v1(150.571,148.082)
  Bottom Layer w0.254: v1(138.1,145.491) 142.487,149.878 X1.2@148.336,149.878 149.715,149.878 ; X1.2@149.37,149.626 cw(c149.715,149.515) 149.715,149.878 ; X1.2@149.37,150.13 ccw(c149.715,150.241) 149.715,149.878 ; v1(150.571,148.082) 150.571,149.022 149.715,149.878
NetC2_1: C2.1 R15.1 S1.1 | length 10.9
  Top Layer w0.254: R15.1@144.693,152.175 ccw(c144.508,152.375) 144.78,152.375 ; R15.1@144.78,152.019 144.78,152.375 ; R15.1@144.867,152.175 cw(c145.052,152.375) 144.78,152.375 ; v1(147.523,159.487) 146.304,158.267 S1.1@146.304,155.154 146.304,153.899 144.78,152.375
  Bottom Layer w0.254: C2.1@146.304,158.178 147.523,159.398 v1(147.523,159.487)
NetC3_2: C3.2 U1.6 X1.1 | length 35.1
  Top Layer w0.254: v1@136.247,143.613 cw(c135.943,143.309) 136.373,143.309 cw(c136.802,143.309) v1@136.498,143.613 ; v1(136.373,143.739) 136.373,139.705 136.378,139.7 U1.6@136.378,138.846 ; C3.2@150.558,146.812 v1(151.384,146.812) ; C3.2@150.783,146.587 cw(c151.325,146.045) 151.325,146.812 cw(c151.325,147.579) C3.2@150.783,147.037 ; v1@151.258,146.686 ccw(c150.955,146.383) 150.955,146.812 ccw(c150.955,147.241) v1@151.258,146.938
  Bottom Layer w0.254: v1(136.373,143.739) 138.922,143.739 139.824,144.64 146.228,144.64 147.365,145.778 X1.1@148.336,145.778 150.35,145.778 ; v1@136.498,143.613 cw(c136.802,143.309) 136.802,143.739 cw(c136.802,144.168) v1@136.498,143.864 ; 146.222,144.634 cw(c147.684,143.172) X1.1@147.999,145.216 ; 146.576,144.988 cw(c147.778,143.786) X1.1@148.038,145.467 ; 146.93,145.343 cw(c147.873,144.4) X1.1@148.077,145.718 ; X1.1@149.022,145.412 cw(c149.806,144.756) 149.806,145.778 cw(c149.806,146.8) X1.1@149.022,146.144 ; X1.1@149.217,145.249 cw(c150.35,144.299) 150.35,145.778 ; X1.1@149.217,146.307 ccw(c150.35,147.257) 150.35,145.778 ; v1@151.206,146.812 cw(c150.777,146.812) 151.08,146.508 cw(c151.384,146.205) v1@151.384,146.634 ; v1(151.384,146.812) 150.35,145.778
NetC5_2: C5.2 U1.31 | length 21
  Top Layer w0.254: 128.222,129.696 cw(c128.528,129.389) U1.31@128.528,129.823 ; 128.293,129.768 cw(c128.454,129.607) U1.31@128.521,129.824 ; U1.31@129.378,129.846 128.372,129.846 128.168,129.643 128.168,112.771 129.243,111.697 C5.2@129.921,111.697
NetC6_2: C6.2 U1.47 | length 18.7
  Top Layer w0.254: C6.2@132.461,111.697 139.09,118.326 139.09,124.765 138.434,125.421 138.434,126.009 U1.47@138.378,127.346
NetC7_2: C7.2 U1.3 X2.1 | length 42.1
  Top Layer w0.254: X2.1@121.392,151.5 ccw(c121.326,151.682) 121.519,151.682 ; X2.1@121.519,150.749 121.519,151.682 ; X2.1@121.646,151.5 cw(c121.713,151.682) 121.519,151.682 ; U1.3@137.878,138.846 137.878,140.945 138.608,141.674 138.608,149.276 136.601,151.282 136.601,159.791 136.398,159.995 129.832,159.995 C7.2@122.618,152.781 121.519,151.682
NetC8_2: C8.2 U1.4 X2.2 | length 32.5
  Top Layer w0.254: X2.2@119.019,150.749 X2.2@119.415,151.145 ; C8.2@119.062,152.781 X2.2@119.062,151.498 ; v1(126.187,144.374) X2.2@119.415,151.145 ; U1.4@137.378,138.846 137.378,143.864 v1(138.1,144.586) ; v1@137.922,144.586 cw(c137.493,144.586) 137.796,144.283 cw(c138.1,143.979) v1@138.1,144.408 ; X2.2@119.062,151.498 X2.2@119.415,151.145 ; X2.2@119.062,151.498 X2.2@119.415,151.145
  Bottom Layer w0.254: v1@126.133,144.427 cw(c126.516,144.044) 126.516,144.586 ; v1(126.187,144.374) 126.4,144.586 v1(138.1,144.586) ; v1@126.313,144.248 cw(c127.13,143.431) 127.13,144.586
NetC9_1: C9.1 S2.1 | length 6.6
  Top Layer w0.254: v1(150.368,157.988) S2.1@150.368,161.838
  Bottom Layer w0.254: C9.1@150.143,157.387 ccw(c149.601,157.929) 150.368,157.929 ccw(c151.135,157.929) C9.1@150.593,157.387 ; v1@150.242,157.862 cw(c149.939,157.559) 150.368,157.559 cw(c150.797,157.559) v1@150.494,157.862 ; C9.1@150.368,157.162 v1(150.368,157.988)
NetC15_2: C15.2 C16.2 L1.2 U1.13 | length 18.7
  Top Layer w0.254: C16.2@119.761,143.194 C15.2@121.285,143.194 121.996,143.194 122.188,143.386 L1.2@122.936,143.386 132.029,143.386 132.878,142.537 U1.13@132.878,138.846 ; C16.2@119.851,143.104 cw(c120.068,142.887) 120.068,143.194 cw(c120.068,143.501) C16.2@119.851,143.284 ; C15.2@121.195,143.104 ccw(c120.978,142.887) 120.978,143.194 ccw(c120.978,143.501) C15.2@121.195,143.284 ; C15.2@121.375,143.104 cw(c121.592,142.887) 121.592,143.194 cw(c121.592,143.501) C15.2@121.375,143.284
NetC28_2: C28.2 CARD1.C3 D5.1 R26.2 | length 9.6
  Top Layer w0.254: R26.2@133.096,96.456 cw(c133.096,95.997) 133.421,96.322 ; R26.2@133.096,96.647 134.112,95.631 D5.1@134.544,95.631 134.544,94.564 C28.2@135.509,93.599 135.915,93.599 137.41,92.104 CARD1.C3@137.41,90.492 ; 135.184,93.924 cw(c134.859,93.599) C28.2@135.319,93.599 ; C28.2@135.662,93.509 cw(c135.879,93.292) 135.879,93.599 cw(c135.879,93.906) C28.2@135.662,93.689
NetC29_2: C29.2 CARD1.C2 D7.1 R27.2 | length 22.7
  Top Layer w0.254: R27.2@132.588,104.584 cw(c132.588,104.125) 132.913,104.45 ; R27.2@132.588,104.775 133.096,104.267 D7.1@134.544,104.267 135.28,104.267 ; v1(134.544,100.787) 135.865,102.108 C29.2@136.525,102.108 136.525,103.022 135.28,104.267 ; D7.1@134.974,104.07 cw(c135.28,103.93) 135.28,104.267 ; D7.1@134.974,104.464 ccw(c135.28,104.604) 135.28,104.267 ; C29.2@136.372,102.018 ccw(c136.155,101.801) 136.155,102.108 ccw(c136.155,102.415) C29.2@136.372,102.198 ; C29.2@136.435,102.198 ccw(c136.218,102.415) 136.525,102.415 ccw(c136.832,102.415) C29.2@136.615,102.198 ; CARD1.C2@139.95,90.492 v1(139.95,92.151)
  Bottom Layer w0.254: v1(134.544,100.787) 139.95,95.381 v1(139.95,92.151)
NetC30_2: C30.2 R25.1 | length 7.1
  Top Layer w0.254: C30.2@132.498,107.035 cw(c132.281,106.818) 132.588,106.818 cw(c132.895,106.818) C30.2@132.678,107.035 ; R25.1@132.588,100.901 132.131,101.359 132.131,105.994 132.588,106.451 C30.2@132.588,107.188